# Allegro board RK3588S_Template_LP4XD200P232SD8H2_31X31_2133MHz_H1R6_V11_20220218YWQ.brd (continued)
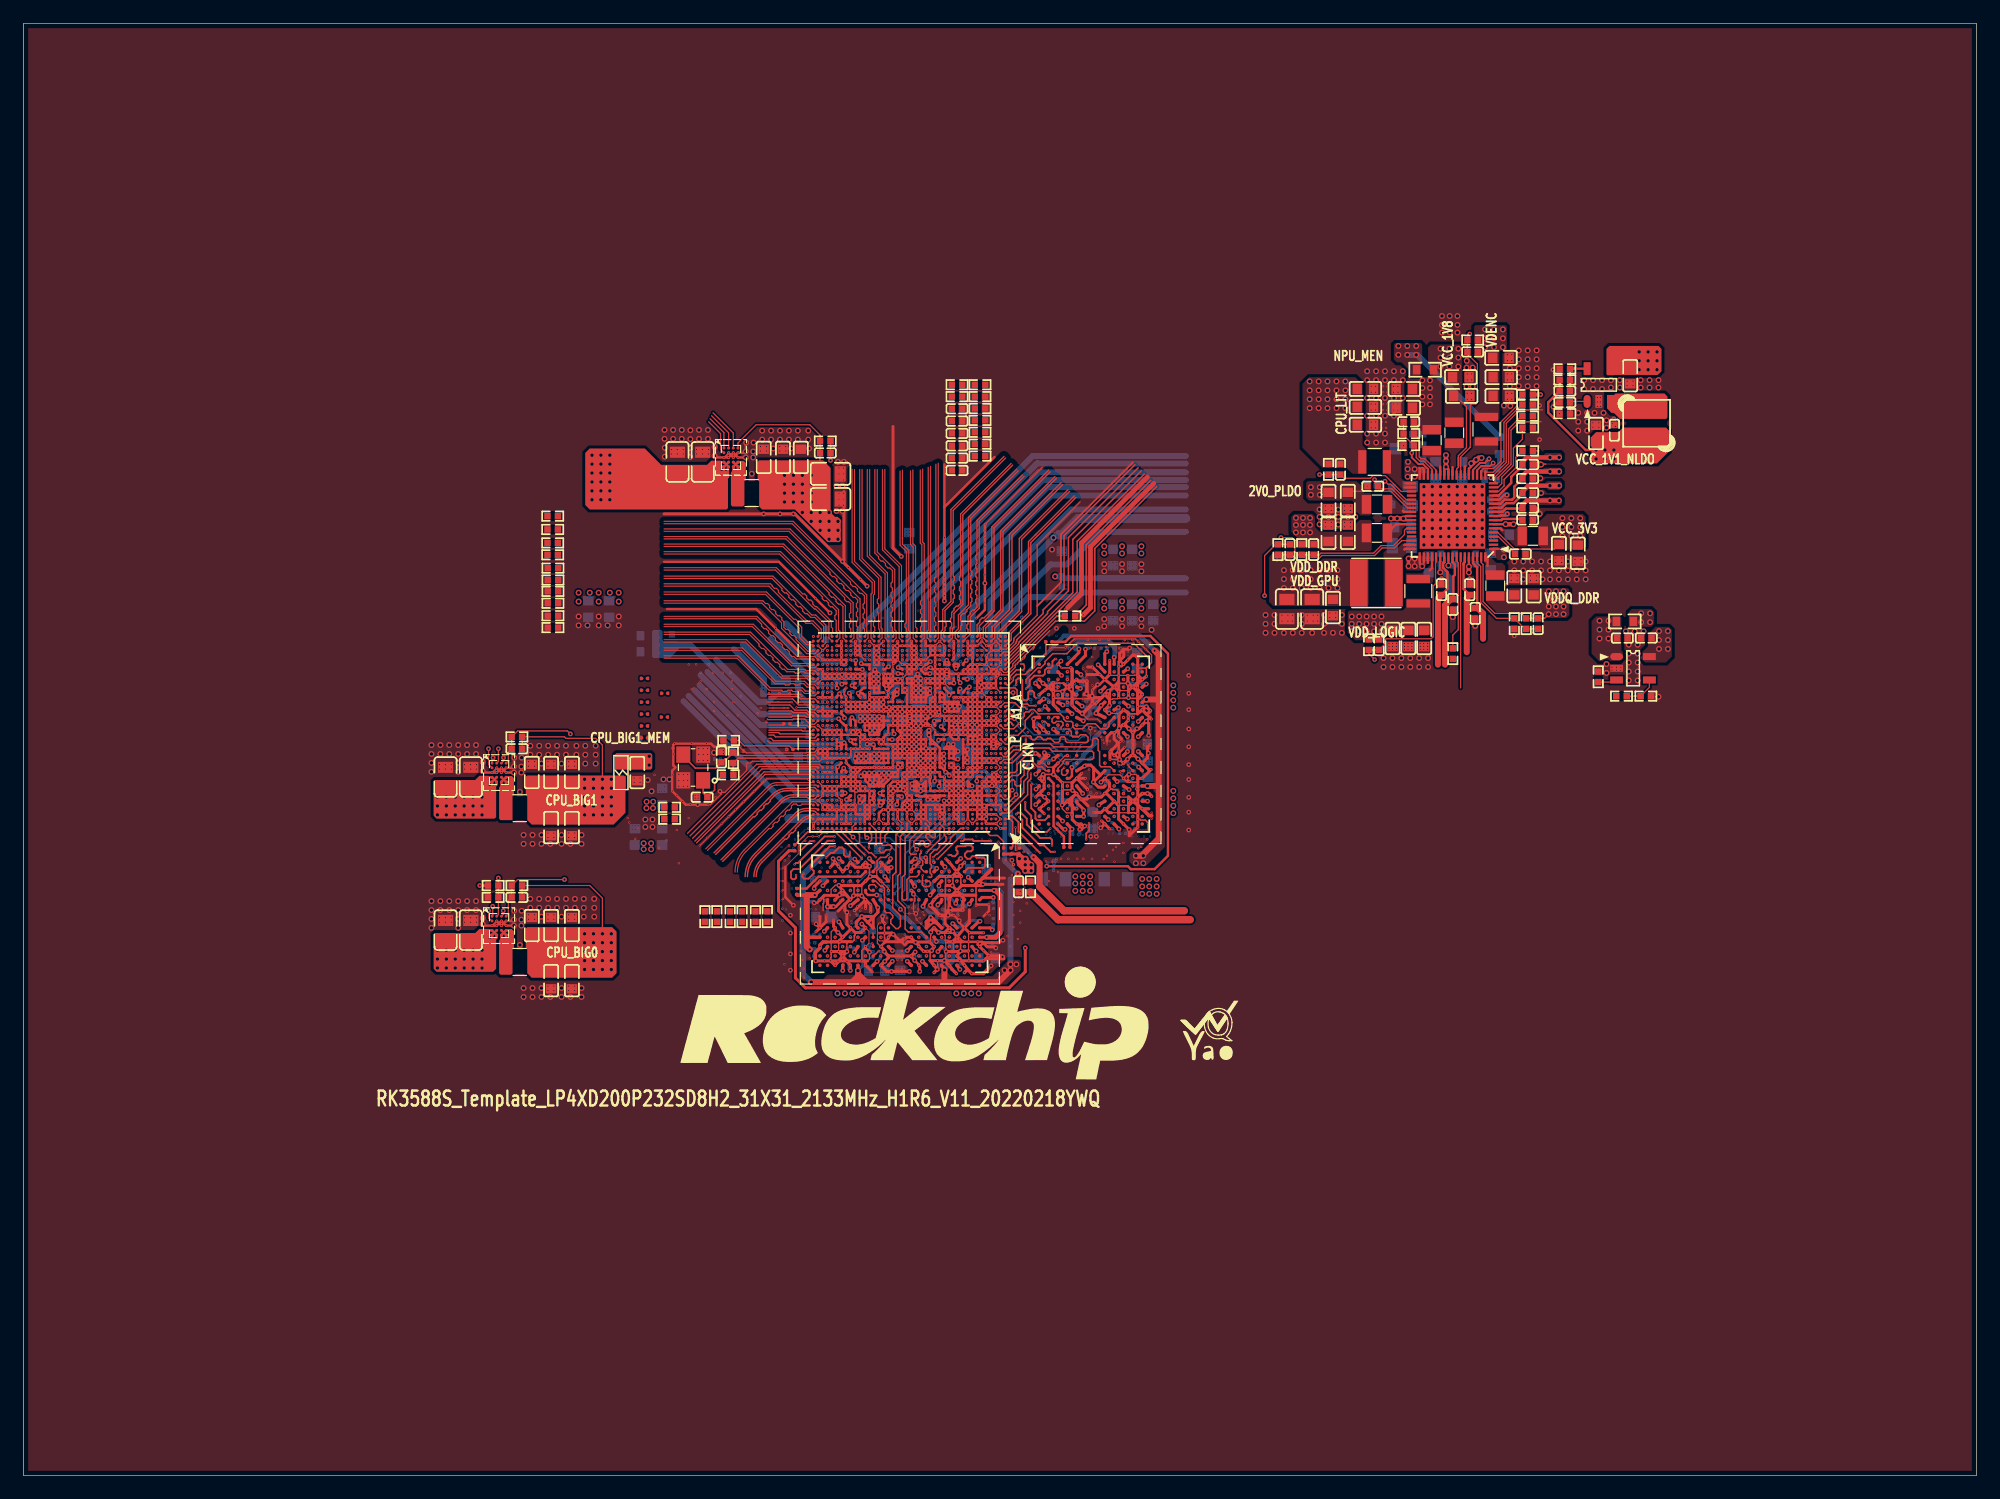
[diagram p0: board, top side]
## Routing (per net, layer and track width the routed paths; a pad name or vN(x,y) marks a point on that pad's centre or on a via; arc(x,y) is an arc through that point) (continued)
VCC1V8_PMU_DDR_S3: length 156.5
  TOP w0.203: v1(70.12,62.62) 69.78,62.62 v1(69.64,62.48) ; v1(70.12,62.62) 70.29,62.45 U1000.V35 ; v1(70.12,62.62) 69.89,62.38 69.89,62.23 ; U1000.N37 69.49,60.48 v1(69.57,60.55) 69.89,60.87 U1000.R36 ; v1(72.9,49.61) 72.16,49.61 71.95,49.81 U3801.T4 ; U1000.Y37 69.49,62.63 v1(69.64,62.48) ; 69.89,62.23 v1(69.64,62.48) ; 69.89,62.23 U1000.V36 ; v1(69.64,62.48) 69.49,62.33 U1000.V37 ; U3800.T4 89.38,59.57 89.58,59.78 v1(89.58,60.52)
  TOP w0.254: v1(71.03,52.67) U3801.U1 ; v1(86.52,58.65) U3800.U1
  TOP w0.279: v5(78.69,43.2) 78.69,43.21 78.69,43.24 U3801.F12 ; U3801.G4 v1(77.47,49.6) ; v1(93.55,65.62) 93.52,65.63 U3800.G9 ; U3801.T9 71.94,46 v1(71.68,45.74) ; v1(78,45.64) 78.01,45.67 U3801.G9 ; U3800.U12 v5(96.04,58.92) ; U3800.G4 v1(89.59,65.09) ; v1(93.45,59.3) 93.19,59.56 U3800.T9 ; v1(78.74,52.02) 78.45,52.3 U3801.F1 ; U3800.F12 v5(95.94,66.31) ; U3801.U12 v5(71.3,43.15)
  TOP w0.305: U3800.F1 v1(87.18,66.36)
  TOP w0.508: 72,42.16 70.8,42.16 ; 72,42.16 78.74,42.16 ; 72,42.16 71.3,42.86 ; 70.8,42.16 71.3,42.67 71.3,42.86 ; 70.8,42.16 v5(67.31,42.16) ; v5(95.94,66.31) 96.99,66.31 97,66.29 ; v5(71.3,43.15) 71.3,42.86 ; 78.74,42.16 83.31,42.16 v5(84.33,43.18) ; 78.74,42.16 78.69,42.21 v5(78.69,43.2) ; v5(95.05,52.96) 95.53,52.96 97,54.43 97,58.93 ; 97,58.93 97,66.29 ; 97,58.93 97,58.92 v5(96.04,58.92) ; 97,66.29 97,70.13 v1(96.65,70.48)
  L6-S2 w0.305: v1(70.12,62.62) 70.12,62.69 69.82,62.99 v4(69.77,62.99) 69.64,62.86 v1(69.64,62.48) 69.78,62.62 v1(70.12,62.62)
  BOTTOM w0.203: 69.57,60.7 69.57,60.73
  BOTTOM w0.254: 70.14,53.34 70.64,52.83 C3887.1 71,52.7 v1(71.03,52.67) ; 73.21,49.19 C3888.1 73.13,49.61 v1(72.9,49.61) ; 77.64,49.77 77.64,50.61 78.74,51.71 v1(78.74,52.02) ; v1(93.45,59.3) 93.51,59.35 94.62,59.35 95.05,58.92 v5(96.04,58.92) ; v5(71.3,43.15) 71.73,43.58 71.73,45.68 v1(71.68,45.74) ; v1(87.18,66.36) 87.48,66.36 88.58,65.26 89.42,65.26
  BOTTOM w0.279: C1101.1 69.57,60.7 v1(69.57,60.55) 69.47,60.45 69.3,60.45
  BOTTOM w0.305: 88.91,71.75 85.85,68.7 85.85,67.5 86.06,67.3 C3848.1 ; v1(89.59,65.09) 89.42,65.26 ; 77.64,49.77 v1(77.47,49.6) ; v1(69.64,62.48) 69.64,62.89 C1107.1 70.12,62.62 v1(70.12,62.62) 69.99,62.48 v1(69.64,62.48)
  BOTTOM w0.381: 73.21,49.19 73.75,48.65 73.93,48.65 74.89,47.68 75.4,47.68 77.44,45.64 v1(78,45.64) 79.02,45.64 79.4,45.26 79.4,43.96 78.69,43.25 v5(78.69,43.2) ; v1(93.55,65.62) 93.55,65.07 91.51,63.02 91.51,62.51 90.54,61.55 90.54,61.37 89.69,60.52 v1(89.58,60.52)
  BOTTOM w0.406: v1(96.65,70.48) 95.38,71.75 88.91,71.75 ; C1106.1 v1(69.64,62.48)
  BOTTOM w0.457: C1106.1 63.76,62.48
  BOTTOM w0.508: v5(84.33,43.18) v5(84.33,43.69) 84.33,50.94 ; 63.76,62.48 65.79,60.45 69.3,60.45 69.57,60.73 ; 63.76,62.48 63.76,62.48 ; 63.76,62.48 57.85,68.39 ; v5(118.24,95.76) v5(119,95.76) 119.09,95.76 R2210.1 ; v5(67.31,42.16) 66.6,42.87 66.6,51.36 68.58,53.34 70.14,53.34
  vias: v5(83.82,43.18) v5(84.84,43.69) v5(95.05,52.32) v5(95.68,52.96) v5(95.68,52.32) v5(117.47,96.52) v5(117.47,95.76) v5(118.24,96.52) v5(119,96.52)
VCC_1V1_NLDO_S3: length 13.5
  TOP w0.203: v1(126.78,82.17) 126.75,82.17 126.62,82.05 126.24,82.05 126.18,81.99 U2200.9 ; R2306.1 C2326.1 130.28,91.7 130.28,90.83 133.48,87.63 v5(134.37,87.63) ; U2200.13 126.12,83.39 126.52,83.79 v1(126.75,83.79)
  BOTTOM w0.508: v1(126.75,83.79) 126.63,83.79 C2257.1 C2264.1 126.43,82.17 v1(126.78,82.17)
  vias: v5(134.37,86.87) v5(135.13,87.63) v5(135.13,86.87) v5(135.89,87.63) v5(135.89,86.87)
VCC_1V8_S0: length 42.8
  TOP w0.203: C2246.1 122.17,74.94 122.17,76.83 122.3,76.96 122.3,77.85 122.11,78.04 122.11,78.04 122.1,78.05 U2200.60 ; v1(70.56,66.85) 70.69,66.72 U1000.AJ34 ; v1(80.01,67.23) 79.89,67.12 U1000.AK11 ; 73.29,57.25 v1(73.2,57.25) 73.09,57.36 U1000.G28 U1000.G27 73.49,57.45 73.29,57.25 ; v1(71.42,58.01) 71.42,57.56 v1(71.48,57.51) 71.63,57.51 71.82,57.7 U1000.G31 U1000.H31 71.51,58.1 v1(71.42,58.01)
  TOP w0.508: C2246.1 121.97,74.89 121.46,74.38 121.46,69.29
  L6-S2 w0.203: v1(70.56,66.85) 70.36,67.06 70.36,67.82 70.15,68.02 69.39,68.02
  L6-S2 w0.254: v4(79.38,71.12) v4(79.38,70.87) 79.38,69.43 79.25,69.31 79.25,68.72 79.38,68.6 79.38,68.2 79.07,67.9 79.07,67.54 79.38,67.23 v1(80.01,67.23)
  L6-S2 w0.508: 69.39,68.02 69.29,68.12 64.94,68.12 v4(64.89,68.07)
  BOTTOM w0.203: 71.9,57.28 C1508.1
  BOTTOM w0.254: v1(71.42,58.01) 71.86,58.01 C1508.1
  BOTTOM w0.279: v1(70.56,66.85) 70.66,66.95 C1906.1
  BOTTOM w0.305: v1(80.01,67.23) 80.13,67.11 C1302.1 ; v1(73.2,57.25) 72.98,57.25 C1902.1 ; v1(71.42,58.01) 71.42,57.56 v1(71.48,57.51) ; v1(71.48,57.51) 71.36,57.39 C1903.1 71.36,56.44 71.05,56.13 ; v1(71.48,57.51) 71.67,57.51 71.9,57.28
  BOTTOM w0.508: R1401.2 78.92,71.57 v4(79.38,71.12) v4(79.38,70.87) ; R1909.2 R1927.2 64.14,68.32 61.47,70.99
  BOTTOM w0.762: 65.4,56.13 71.05,56.13
  vias: v4(64.64,68.07) v4(64.64,67.82) v4(64.89,67.82)
VCC_1V8_S3: length 23.6
  TOP w0.102: U2200.25 122.45,86 122.6,86.15 122.6,87.14 123.29,87.83 123.29,91.34 122.81,91.82
  TOP w0.305: R2261.1 v1(129.63,92.36)
  L6-S2 w0.305: v5(122.6,94.76) 122.6,94.66 123.15,94.11 124.59,94.11 126.33,92.36 v1(129.63,92.36)
  BOTTOM w0.508: R1908.2 R1928.2 64.14,66.63 63.63,66.12 62.79,66.12 59.18,69.72
  vias: v5(121.07,96.28) v5(121.07,95.52) v5(121.07,94.76) v5(121.84,96.28) v5(121.84,95.52) v5(121.84,94.76) v5(122.6,96.28) v5(122.6,95.52)
VCC_1V8_S3_PLDO6: length 4.1
  TOP w0.152: v1(125.57,86.52) 125.32,86.27 124.57,86.27 124.2,85.9 U2200.20
  BOTTOM w0.381: R2210.2 126.11,86.19 C2248.1 125.57,86.32 v1(125.57,86.52)
VCC_2V0_PLDO_S3: length 7.6
  TOP w0.102: 112.9,84.14 112.94,84.1 116.84,84.1 117.22,83.72 117.22,83.7 118.24,82.69 U2200.41
  TOP w0.152: U2200.59 v5(121.75,77.77)
  BOTTOM w0.508: v5(121.75,77.77) 122.2,77.77 C2247.1
  vias: v5(110,84.45) v5(110,83.8) v5(110.76,84.45) v5(110.76,83.8)
VCC_3V3_S0: length 17.6
  TOP w0.203: U1000.AL33 71,67.3 v1(70.8,67.51) 70.99,67.7 U1000.AM33
  L5-POWER2 w0.203: 69.65,68.02 70.28,68.02
  L5-POWER2 w0.254: 68.85,68.82 69.65,68.02 ; 70.28,68.02 v1(70.8,67.51)
  L5-POWER2 w0.508: v3(62.48,80.14) 62.48,75.18 68.85,68.82
  BOTTOM w0.279: C1907.1 70.87,67.58 v1(70.8,67.51)
  vias: v5(134.66,73.04) v5(134.66,72.28) v5(134.66,71.52) v5(135.42,73.04) v5(135.42,72.28) v5(135.42,71.52)
VCC_3V3_S3: length 7
  TOP w0.102: C2239.1 130.79,79.17 127.39,79.17 125.97,80.59 U2200.5
  TOP w0.203: R2302.1 v1(38.99,50.42)
  vias: v5(131.49,81.81) v5(131.49,81.04) v5(131.49,80.28) v5(132.25,81.81) v5(132.25,81.04) v5(132.25,80.28) v5(133.01,81.81) v5(133.01,81.04) v5(133.01,80.28) v5(139.74,72.15) v5(139.74,71.39) v5(139.74,70.63) v5(140.5,72.15) v5(140.5,71.39) v5(140.5,70.63)
VCC_5V0_PWREN_H: length 14.4
  L3-S1 w0.076: 74.14,72.8 74.29,72.64 74.29,70.5 v2(73.89,70.1)
  L3-S1 w0.102: 74.14,84.23 74.14,72.8
VCC_SYSIN: length 41.8
  TOP w0.102: U2200.34 119.02,85.49 v5(118.87,85.34) ; v5(118.87,77.7) v5(118.87,78.36) 118.39,78.36 118.39,78.36 v5(118.35,78.36)
  TOP w0.203: 40.04,58.67 40.44,59.07 U2301.E2 U2301.D1 39.03,59.67 38.63,59.27 ; U2200.53 119.65,78 ; v5(118.87,78.36) 119,78.49 U2200.52 119.3,77.9 ; 40.04,45.59 40.04,44.99 v5(39.18,44.13) ; 40.04,45.59 U2300.E1 ; 40.04,45.59 40.44,45.99 U2300.E2 U2300.D1 39.03,46.59 38.63,46.19 ; U2300.E1 38.63,46.19 ; U2300.E1 U2300.D2 ; U2302.E1 58.44,86.19 ; U2302.E1 59.85,86.2 U2302.D2 ; U2302.E1 59.85,85 ; 58.44,86.19 C2317.1 ; 58.44,86.19 58.84,86.59 59.85,86.59 ; v5(123.7,86.49) 123.7,86.23 123.5,86.04 U2200.22 ; U2200.28 121.4,86.04 v5(121.54,86.18) 121.75,85.97 U2200.27 ; 119.51,86.11 119.65,85.96 U2200.33 ; 59.85,85 60.2,85.34 60.2,86.14 U2302.E2 59.85,86.59 ; 59.85,85 58.99,84.14 ; U2301.E1 38.63,59.27 ; U2301.E1 U2301.D2 ; U2301.E1 40.04,58.07 v5(39.18,57.21) ; 38.63,59.27 C2302.1 ; v5(126.65,81.29) U2200.7 ; 59.85,86.59 U2302.D1 59.85,86.59 ; 38.63,46.19 C2301.1 ; 125.6,78.69 U2200.1 126.04,79.19 ; U2200.44 118.05,81.64 v5(117.91,81.78) 118.12,81.99 U2200.43 ; 119.25,86.11 119.3,86.06 U2200.34 ; U2200.54 120,77.99 ; U2200.64 v5(123.5,77.67)
  TOP w0.254: v5(118.35,77.7) v5(118.35,78.36)
  TOP w0.381: v5(116.84,81.78) v5(117.37,81.78) v5(117.91,81.78) ; v5(121.54,86.18) v5(121.54,86.68) v5(121.54,87.19) ; v5(127.31,81.29) v5(126.65,81.29)
  TOP w0.406: v5(124.59,86.95) 124.33,86.95 124.18,86.79 v5(124.11,86.79) 123.8,86.49 v5(123.7,86.49) ; v5(123.5,77.17) v5(123.5,77.67)
  BOTTOM w0.104: v5(118.87,85.34) v5(118.87,86)
  vias: v5(35.37,57.98) v5(35.37,57.21) v5(35.37,56.45) v5(35.37,44.89) v5(35.37,44.13) v5(35.37,43.37) v5(36.13,57.98) v5(36.13,57.21) v5(36.13,56.45) v5(36.13,44.89) v5(36.13,44.13) v5(36.13,43.37) v5(36.9,57.98) v5(36.9,57.21) v5(36.9,56.45) v5(36.9,44.89) v5(36.9,44.13) v5(36.9,43.37) v5(37.66,57.98) v5(37.66,57.21) v5(37.66,56.45) v5(37.66,44.89) v5(37.66,44.13) v5(37.66,43.37) v5(38.42,57.98) v5(38.42,57.21) v5(38.42,56.45) v5(38.42,44.89) v5(38.42,44.13) v5(38.42,43.37) v5(39.18,57.98) v5(39.18,56.45) v5(39.18,44.89) v5(39.18,43.37) v5(48.58,87.19) v5(48.58,86.43) v5(48.58,85.66) v5(48.58,84.9) v5(48.58,84.14) v5(48.58,83.38) v5(49.34,87.19) v5(49.34,86.43) v5(49.34,85.66) v5(49.34,84.9) v5(49.34,84.14) v5(49.34,83.38) v5(50.1,87.19) v5(50.1,86.43) v5(50.1,85.66) v5(50.1,84.9) v5(50.1,84.14) v5(50.1,83.38) v5(118.3,86.61) v5(118.27,86) v5(118.27,85.34) v5(119.51,77.7) v5(126.49,79.12) v5(126.49,78.47) v5(138.05,96.01) v5(138.05,95.25) v5(138.05,94.49) v5(138.81,96.01) v5(138.81,95.25) v5(138.81,94.49) v5(139.57,96.01) v5(139.57,95.25) v5(139.57,94.49)
VCCA: length 3.3
  TOP w0.152: v1(125.22,86.88) 124.87,86.52 124.44,86.52 123.85,85.93 U2200.21
  BOTTOM w0.381: v1(125.22,86.88) 125.22,86.86 125.08,86.72 125.08,86.22 C2254.1
VCCA_1V8_S0: length 293.5
  TOP w0.178: v1(79.08,66.69) 79.13,66.69 79.35,66.9 U1000.AK12
  TOP w0.203: C2249.1 121.67,75.75 121.67,77.21 121.3,77.58 121.3,77.95 121.39,78.04 121.39,78.04 121.4,78.05 U2200.58 ; 70.08,60.39 69.89,60.2 U1000.N36 ; 70.08,60.39 v1(70.08,60.44) ; 70.08,60.39 70.29,60.19 U1000.N35 ; U1000.AB25 74.29,63.53 74.4,63.42 v1(74.4,63.37) ; U1000.AM35 70.04,67.7 69.95,67.61 v1(69.93,67.61) ; U1000.AP23 74.95,68.5 74.92,68.53 v1(74.73,68.53) ; v1(71.58,69.39) 71.67,69.3 U1000.AT30 U1000.AR30 ; v1(74.74,69.05) 74.83,68.96 75.01,68.96 75.07,68.9 U1000.AR23 ; v1(79.08,66.69) 79.08,66.84 78.69,67.23 U1000.AL14
  TOP w0.229: U1000.H34 70.67,58.1 v1(70.33,57.76) 70.39,57.7 U1000.G34
  TOP w0.508: C2249.1 120.85,74.94 120.85,69.29
  TOP w0.635: 99.69,47.5 88.4,47.5 R2274.1
  L5-POWER2 w0.152: 78.66,67.79 78.77,67.79 79.32,68.35 79.32,68.64 79.2,68.76 79.2,69.16 79.38,69.34 79.38,70.71
  L5-POWER2 w0.254: 78.66,67.79 78.46,67.99 78.46,69.85 79.33,70.71 79.38,70.71
  L5-POWER2 w0.457: v1(79.08,66.69) 78.67,67.11 78.67,67.74 78.66,67.74 78.66,67.79 ; v5(88.15,76.83) 81.98,76.83 81.44,76.29 81.44,75.58 80.21,74.36 80.21,71.45 79.48,70.71 79.38,70.71
  L6-S2 w0.191: 72.06,63.25 71.04,64.27
  L6-S2 w0.203: 69.06,64.54 69.34,64.27 71.04,64.27 ; v1(74.4,63.37) 74.37,63.35 73.89,63.35 73.79,63.25 72.42,63.25 72.06,63.25
  L6-S2 w0.254: 75.17,69.71 75.17,68.87 74.82,68.53 v1(74.73,68.53)
  L6-S2 w0.305: 75.17,69.71 75.19,69.73 75.19,71.82 74.37,72.64
  L6-S2 w0.508: 74.37,72.64 72.39,72.64 63.8,81.23 63.8,85.77 64.52,86.49 67.56,86.49 68.71,87.63 108.15,87.63 ; 69.06,64.54 v4(67.03,64.54) v4(66.78,64.54)
  BOTTOM w0.254: v1(70.08,60.44) 70.08,60.2 ; v1(74.74,69.05) 74.74,69.14 75.07,69.47 75.35,69.47 75.61,69.72 C1403.1 C1404.1 75.61,70.87 ; v1(74.4,63.37) 74.37,63.37 C1104.1 ; 68.93,68.2 69.09,68.2
  BOTTOM w0.279: 69.09,68.2 69.41,67.88 69.61,67.88 C1601.1 69.7,67.84 v1(69.93,67.61) 70.15,67.84 C1600.1 ; C1802.1 70.64,58.07 v1(70.33,57.76) ; 69.72,59.79 C1100.1 70.08,59.84 70.08,60.2 ; v1(74.73,68.53) 74.6,68.53 74.4,68.73 C1506.1 ; 71.43,71.43 C1610.1 C1609.1 71.58,70.12 v1(71.58,69.39)
  BOTTOM w0.305: 64.9,57.66 68.33,57.66 68.83,57.15 70.08,57.15 C1803.1 70.34,57.75 v1(70.33,57.76)
  BOTTOM w0.508: 99.31,84.45 87.5,84.45 77.6,74.55 R1402.2 ; C1114.1 62.97,64.13 58.43,68.67 ; 69.72,59.79 65.52,59.79 57.76,67.54 ; 99.31,76.67 88.89,76.67 C1716.1 v5(88.15,76.83) ; 68.93,68.2 68.32,68.2 64.43,72.09 ; 71.43,71.43 71.43,72.31 86.23,87.12 99.31,87.12 ; 75.61,70.87 75.61,74.59 86.74,85.72 99.31,85.72 ; 56.39,66.17 64.9,57.66
  vias: v4(66.55,64.54)
VCCA_3V3_S0: length 35.5
  TOP w0.203: U2200.63 123.15,78.05 123.05,77.95 123.05,77.86 123.05,77.85 123.05,75.76 C2251.1 ; U1000.AT10 80.29,69.37 v1(80.57,69.65)
  TOP w0.508: 123.32,70.36 123.32,74.99 C2251.1
  BOTTOM w0.254: v1(80.57,69.65) 80.79,69.87 C1405.1
  BOTTOM w0.406: 81.1,70.23 81.1,69.9 C1405.1
  BOTTOM w0.508: 99.31,82.55 89.53,82.55 81.1,74.12 81.1,70.23
  vias: v5(138.22,73.68) v5(138.22,72.92) v5(138.98,73.68) v5(138.98,72.92)
VCCIO5: length 15.6
  TOP w0.203: U1000.AC33 71.09,64.47 v1(70.79,64.77) 70.69,64.67 U1000.AC34
  L6-S2 w0.254: 68.79,65.16 70.38,65.16 70.76,64.77 v1(70.79,64.77)
  L6-S2 w0.508: 68.79,65.16 65.27,65.16 v4(63.24,67.18)
  BOTTOM w0.279: v1(70.79,64.77) 70.56,64.54 C1905.1
  BOTTOM w0.508: R1928.1 v4(63.24,67.18) v4(63.24,67.44) R1927.1 63.24,68.08 60.71,70.61
  vias: v4(62.99,67.44) v4(62.99,67.18)
VCCIO5_1V8: length 6.6
  TOP w0.203: v1(70.15,64.73) 70.15,64.85 69.89,65.11 U1000.AF36
  BOTTOM w0.203: C1904.1 69.73,65.15 69.81,65.07 69.85,65.07 70.15,64.77 v1(70.15,64.73)
  BOTTOM w0.254: 68.58,65.53 68.96,65.53 69.34,65.15 C1904.1
  BOTTOM w0.508: 68.58,65.53 67.85,65.53 67.72,65.66 67.32,65.66 R1908.1 R1909.1
VCCIO_FLASH: length 18.2
  TOP w0.203: U1000.AB35 U1000.AC35 70.17,64.1 69.65,64.62 v1(69.65,64.67)
  BOTTOM w0.254: C1300.1 68.85,64.67 v1(69.65,64.67)
  BOTTOM w0.508: C1300.1 67.74,64.79 67.48,65.05 62.91,65.05 56.99,70.97 C4003.1
VCCIO_SD_S0: length 33.9
  TOP w0.178: U1000.AK10 80.39,67 80.39,67.08 80.57,67.26 80.7,67.26 v1(80.82,67.39)
  TOP w0.203: C2253.1 124.21,74.29 124.21,77.6 124.08,77.72 124.08,77.73 123.85,77.96 U2200.65
  TOP w0.508: C2253.1 124.25,74.13 124.71,73.66 124.71,71.5
  BOTTOM w0.254: C1301.1 80.74,67.27 80.82,67.36 v1(80.82,67.39)
  BOTTOM w0.305: C1301.1 81.04,66.79 81.15,66.67
  BOTTOM w0.406: 83.74,69.18 82.42,67.86 82.42,67.2 81.9,66.67 81.15,66.67
  BOTTOM w0.457: 83.79,69.86 83.77,69.84 83.77,69.61 83.74,69.58 83.74,69.18
  BOTTOM w0.508: 99.31,75.45 90.43,75.45 90.04,75.06 85.85,75.06 83.79,73 83.79,69.86
VDD2_DDR_S3: length 100.5
  TOP w0.102: U2200.30 120.7,85.92 119.74,86.88 119.41,86.88 119.25,87.03 119.25,88.59 R2218.1
  TOP w0.203: R3801.2 89.4,53.97 89.41,53.98 89.41,55.05 v1(89.59,55.24)
  TOP w0.254: 72.15,47.26 v1(71.63,47.77) ; 72.15,47.26 U3801.R8 72.6,47.71 ; 72.15,47.26 72.6,47.71 ; v1(71.63,47.77) 71.16,47.3 71.16,46.95 U3801.U8 ; v1(71.63,47.77) 72.67,47.77 ; U3800.U8 92.29,58.82 91.85,58.82 v1(91.42,59.25) 91.44,59.27 ; U3801.A9 v1(82.3,46) ; U3800.N1 86.61,61.71 v1(86.48,61.71) ; 91.44,60.45 91.19,60.71 90.74,60.71 v1(90.66,60.62) ; 91.44,60.45 91.44,59.27 ; 91.44,60.45 92.03,59.86 ; 91.44,59.27 92.03,59.86 ; v1(90.18,70.63) 90.18,70.31 U3800.A4 ; v1(86.51,63.77) 86.31,63.97 v1(86.31,64.66) ; v1(86.5,59.93) 86.5,59.93 U3800.R1 ; v1(73,48.53) 73,48.11 72.67,47.77 ; v1(72.28,52.72) 72.28,52.69 72.57,52.4 U3801.R1 ; U3800.A9 v1(93.19,69.92) ; 72.6,47.71 72.67,47.77 ; 92.03,59.86 U3800.R8 ; U3801.A4 v1(82.93,50) ; U3801.N1 74.09,52.58 v1(74.09,52.71) ; U3800.F5 v1(90.45,65.75)
  TOP w0.279: v1(93.6,55.24) 93.59,55.25 U3800.AB9 ; U3801.N10 v1(74.24,44.86) ; v1(76.15,50.34) 76.13,50.35 U3801.K3 ; v1(77.09,52.8) 77.15,52.73 U3801.H1 ; v1(86.31,64.66) 86.43,64.77 U3800.H1 ; U3800.N3 v1(88.02,61.23) ; U3801.K12 v1(75.51,43.94) ; U3801.R12 v1(72.94,43.94) ; U3800.R12 v1(95.28,60.54) ; v1(90.51,58.28) U3800.U5 ; U3801.H12 v1(76.81,43.94) ; v1(70.66,48.69) U3801.U5 ; U3800.F8 v1(92.08,65.8) ; U3800.AB4 v1(89.59,55.24) ; U3800.N12 v1(95.25,61.86) ; U3800.H12 v1(95.25,64.44) ; U3800.K3 88.32,63.47 v1(88.01,63.78) ; U3800.K1 86.51,63.75 v1(86.51,63.77) ; U3800.K10 v1(94.33,63.14) ; U3801.K1 75.85,52.4 76.15,52.7 v1(76.2,52.7) ; U3800.K12 v1(95.25,63.14) ; U3801.N12 v1(74.24,43.94) ; v1(78.13,48.77) 78.16,48.86 78.38,48.97 U3801.F5 ; U3800.R5 v1(90.66,60.62) ; U3800.N10 v1(94.33,61.86) ; U3801.K10 v1(75.51,44.86) ; U3801.AB4 v1(67.61,49.6) ; v1(76.86,48.63) U3801.H5 ; U3801.R5 v1(73,48.53) ; U3801.N3 v1(73.61,51.17) ; v1(90.56,64.48) U3800.H5
  TOP w0.305: 66.93,49.6 66.13,49.6 R3803.2 ; 77.99,47.26 v1(77.52,47.26) 77.52,47.17 U3801.H8 77.15,47.3 v1(77.52,47.67) 77.58,47.67 77.99,47.26 ; 77.99,47.26 U3801.F8 ; v1(92.08,65.8) v1(91.65,65.14) U3800.H8 ; 66.93,46.1 67.03,46 U3801.AB9
  TOP w0.406: v1(77.52,47.67) v1(77.52,47.26) ; v1(82.3,46) 83.08,46 83.44,46.36 83.44,49.59 83.03,50 v1(82.93,50)
  TOP w0.508: v1(67.61,49.6) 66.93,49.6 66.93,45.21 v1(67.18,44.96)
  L6-S2 w0.102: 72.26,45.72 72.26,45.25 72.94,44.57 v1(72.94,43.94)
  L6-S2 w0.305: v1(90.18,70.63) 90.18,70.87 91.24,71.94 92.53,71.94 93.09,71.37 93.09,70.02
  L6-S2 w0.406: 93.09,70.02 v1(93.19,69.92)
  BOTTOM w0.102: C3868.1 72.55,51.54 72.2,51.54 71.28,50.62 71.28,49.31 70.66,48.69 v1(70.66,48.69)
  BOTTOM w0.254: 91.12,65.04 91.17,65.09 91.57,65.09 91.62,65.14 ; 91.12,65.04 v1(90.56,64.48) ; 91.12,65.04 91.12,65.63 ; 77.42,48.08 77.47,48.03 77.47,47.72 v1(77.52,47.67) 77.62,47.57 78.01,47.57 ; 77.42,48.08 78.01,48.08 ; 77.42,48.08 v1(76.86,48.63) ; 78.01,47.57 78.01,47.28 78.18,47.11 ; 78.01,47.57 78.01,48.08 ; v1(90.45,65.75) 90.47,65.73 90.58,65.73 90.68,65.63 91.12,65.63 ; 73.03,48.18 73.03,48.5 v1(73,48.53) ; 78.01,48.08 78.01,48.51 78.1,48.61 78.1,48.74 v1(78.13,48.77) ; v1(93.6,55.24) 93.66,55.18 C3834.1 ; 91.62,65.14 v1(91.65,65.14) 91.62,65.14 ; 91.62,65.14 91.62,65.63 ; v1(88.02,61.23) 87.89,61.11 87.17,61.11 86.57,61.71 v1(86.48,61.71) ; v1(95.28,60.54) 95.02,60.8 C3839.1 ; 91.62,65.63 91.91,65.63 v1(92.08,65.8) ; 91.62,65.63 91.12,65.63 ; 91.01,60.65 90.69,60.65 v1(90.66,60.62) ; C3837.1 89.65,55.18 v1(89.59,55.24) ; v1(74.09,52.71) 74.09,52.63 73.49,52.02 73.49,51.3 v1(73.61,51.17) ; v1(76.2,52.7) 76.37,52.7 C3880.1 76.79,52.8 v1(77.09,52.8) ; 86.62,64.28 86.49,64.15 86.49,63.79 v1(86.51,63.77) ; v1(72.94,43.94) 73.21,44.2 C3877.1
  BOTTOM w0.305: 88.45,63.8 88.06,63.8 88.04,63.78 v1(88.01,63.78) ; C3873.1 67.24,45.02 v1(67.18,44.96) ; C3875.1 67.56,49.55 v1(67.61,49.6) ; 76.18,50.74 76.18,50.37 v1(76.15,50.34)
  BOTTOM w0.406: v1(82.93,50) 83.35,50 C3872.1 83.57,49.78 83.57,46.61 82.96,46 C3871.1 v1(82.3,46) ; v1(93.19,69.92) 93.24,69.96 C3829.1 93.24,70.78 92.83,71.19 90.12,71.19 89.87,70.94 C3835.1 89.92,70.63 v1(90.18,70.63)
  vias: v5(95.59,50.98) v5(95.59,50.34) v5(95.59,49.71) v5(96.19,50.98) v5(96.19,50.34) v5(96.19,49.71) v5(96.82,50.98) v5(96.82,50.34) v5(96.82,49.71) v5(119.52,93.58) v5(119.52,92.93) v5(119.52,92.18) v5(119.52,91.53) v5(120.18,93.58) v5(120.18,92.93) v5(120.18,92.18) v5(120.18,91.53)
VDD_0V75_S3: length 25.1
  TOP w0.203: U1000.AJ37 69.49,66.57 v1(69.72,66.8) 69.72,66.75 69.89,66.58 U1000.AJ36 ; U2200.14 126.04,83.74 127.12,84.81 127.12,85.33 128.07,86.29 C2255.1
  TOP w0.381: C2255.1 128.07,86.61 128.45,87 v5(130.43,87) v5(131.21,87)
  L6-S2 w0.279: 69.03,66.84 69.68,66.84 v1(69.72,66.8)
  L6-S2 w0.305: 68.61,66.42 69.03,66.84
  L6-S2 w0.508: 57.57,74 65.15,66.42 68.61,66.42
  BOTTOM w0.254: 69.27,66.34 v1(69.72,66.8) 69.93,67.01
  BOTTOM w0.279: 69.93,67.01 C1105.1 ; C1125.1 69.27,66.34
VDD_CPU_BIG0_S0: length 90.1
  TOP w0.102: v5(49.47,46.29) 49.47,49.34 48.39,50.42 R2300.1 C2306.1 ; U2300.A4 41.43,47.98 41.43,49.12 C2306.2 R2300.2 42.22,50.93 v1(46.23,50.93)
  TOP w0.203: U1000.M29 U1000.M30 ; U1000.M29 72.74,59.7 ; U1000.M29 72.69,59.7 v1(72.69,60.05) ; U1000.M29 72.69,59.12 ; U1000.M30 72.29,60.01 v1(72.27,60.04) ; U1000.M30 71.93,59.7 ; U1000.M30 72.29,59.29 ; v1(72.27,60.04) 72.28,60.05 v1(72.69,60.05) ; v1(72.27,60.04) 71.93,59.7 ; v1(72.27,60.04) v1(71.86,60.04) ; v1(73.13,60.05) 73.09,60.01 73.06,60.01 ; v1(73.13,60.05) v1(73.53,60.05) ; v1(73.13,60.05) v1(72.69,60.05) ; v1(73.46,59.64) 73.15,59.64 U1000.M28 ; v1(73.46,59.64) v1(73.9,59.64) ; v1(73.46,59.64) 73.46,59.43 73.25,59.23 73.17,59.23 ; v1(73.46,59.64) 73.53,59.72 v1(73.53,60.05) ; U1000.M28 73.09,58.94 ; U1000.M28 72.74,59.7 ; U1000.M28 73.09,59.98 73.06,60.01 ; 72.69,59.12 U1000.K29 ; 72.69,59.12 v1(72.8,59.23) ; U1000.K29 U1000.K28 ; U1000.K29 U1000.K30 72.29,59.03 ; 71.89,59.7 71.62,59.7 v1(71.55,59.77) 71.82,60.04 v1(71.86,60.04) ; 71.89,59.7 71.89,60.01 v1(71.86,60.04) ; 71.89,59.7 71.93,59.7 ; v1(74.73,60.53) 74.69,60.56 U1000.R24 U1000.R23 U1000.P23 ; v1(74.73,60.53) 74.73,60.13 v2(74.7,60.1) 73.89,60.1 ; v1(74.73,60.53) 74.75,60.5 U1000.P23 ; U1000.K28 73.09,58.94 ; U1000.K28 U1000.K27 ; 71.93,59.7 71.93,59.39 72.23,59.09 72.35,59.09 ; 73.09,58.94 v1(72.8,59.23) ; 72.35,59.09 72.29,59.03 ; 72.35,59.09 72.49,59.23 v1(72.8,59.23) ; v1(73.9,59.64) 73.9,59.42 73.49,59.01 U1000.K27 ; v1(73.9,59.64) 74.04,59.64 74.1,59.7 U1000.M25 ; v1(73.9,59.64) 73.9,60.01 v1(73.95,60.06) 73.93,60.06 ; v1(73.53,60.05) 73.54,60.06 73.93,60.06 ; v1(72.8,59.23) 73.17,59.23 ; 73.17,59.23 U1000.K27 ; 73.93,60.06 73.89,60.1 ; 73.89,60.1 U1000.N25 ; 72.29,59.29 72.29,59.03 ; 72.29,59.29 v1(72.35,59.23) ; U1000.N25 U1000.N24 U1000.M24 U1000.M25 ; U1000.N25 U1000.M25 ; 72.74,59.7 73.06,60.01 ; U1000.P23 75.09,60.5 v2(75.06,60.5)
  L2-GND1 w0.254: v2(75.06,60.5) 74.75,60.5 v1(74.73,60.53) 74.73,60.13 v2(74.7,60.1)
  L2-GND1 w0.305: v1(73.53,60.05) 73.94,60.05 v1(73.95,60.06) 73.95,59.69 v1(73.9,59.64) v1(73.46,59.64) 73.46,59.97 v1(73.53,60.05) ; v1(73.53,60.05) v1(73.13,60.05) v1(72.69,60.05) 72.69,60.04 v1(72.27,60.04) v1(71.86,60.04) 71.82,60.04 v1(71.55,59.77)
  L3-S1 w0.203: 75.06,60.17 v3(75.03,60.15) 74.98,60.1 v2(74.7,60.1) 74.7,60.5 v1(74.73,60.53) 75.03,60.53 v2(75.06,60.5) 75.06,60.17
  L3-S1 w0.305: v1(73.53,60.05) 73.53,59.72 v1(73.46,59.64) v1(73.9,59.64) ; v1(73.53,60.05) 73.54,60.06 v1(73.95,60.06) ; v1(73.53,60.05) v1(73.13,60.05) v1(72.69,60.05) 72.28,60.05 v1(72.27,60.04) v1(71.86,60.04) 71.59,59.77 v1(71.55,59.77) ; v1(72.35,59.23) v1(72.8,59.23)
  L4-POWER1 w0.102: v1(73.53,60.05) 73.56,60.07 73.91,60.07 73.93,60.06 v1(73.95,60.06) ; v1(46.23,50.93) 46.23,51.41 49.3,54.48 54.15,54.48 56.65,56.98 60.94,56.98 64.19,60.22 69.06,60.22 69.47,59.82
  L5-POWER2 w0.203: v1(73.95,60.06) 74.26,60.06 v1(74.73,60.53)
  L6-S2 w0.305: v1(73.53,60.05) 73.46,59.97 v1(73.46,59.64) v1(73.9,59.64) 73.95,59.69 v1(73.95,60.06) 73.93,60.04 v1(72.27,60.04) v1(71.86,60.04) 71.59,59.77 v1(71.55,59.77) ; v1(74.73,60.53) 75.03,60.22 v3(75.03,60.15)
  L7-GND2 w0.305: v1(71.55,59.77) 71.59,59.77 v1(71.86,60.04) v1(72.27,60.04) 73.93,60.04 v1(73.95,60.06) 73.95,59.69 v1(73.9,59.64) v1(73.46,59.64) 73.46,59.97 v1(73.53,60.05) ; v1(72.8,59.23) v1(72.35,59.23)
  BOTTOM w0.102: v1(72.69,60.05) 72.36,59.71 71.88,59.71
  BOTTOM w0.203: 74.59,59.99 74.73,60.14 v1(74.73,60.53)
  BOTTOM w0.305: 74.46,59.99 74.04,59.99 74,60.03 73.98,60.03 v1(73.95,60.06)
  vias: v5(47.94,46.29) v5(47.94,45.53) v5(47.94,44.77) v5(47.94,44.01) v5(47.94,43.24) v5(48.71,46.29) v5(48.71,45.53) v5(48.71,44.77) v5(48.71,44.01) v5(48.71,43.24) v5(49.47,45.53) v5(49.47,44.77) v5(49.47,44.01) v5(49.47,43.24) v5(50.23,46.29) v5(50.23,45.53) v5(50.23,44.77) v5(50.23,44.01) v5(50.23,43.24) v5(53,54.03) v5(53,53.52) v5(53.63,54.03) v5(53.63,53.52)
VDD_CPU_BIG1_MEM_S0: length 3.6
  TOP w0.203: U1000.V26 U1000.V27 U1000.V28 U1000.V29 72.69,62.39 v1(72.62,62.46) 72.58,62.5 v1(72.09,62.5)
  L2-GND1 w0.305: v1(72.09,62.5) 72.58,62.5 v1(72.62,62.46)
  L3-S1 w0.305: v1(72.09,62.5) 72.58,62.5 v1(72.62,62.46)
  L6-S2 w0.203: v4(59.56,61.21) v3(59.94,61.21)
  vias: v5(53.47,61.47) v5(53.47,60.71)
VDD_CPU_BIG1_S0: length 89.4
  TOP w0.102: C2310.1 42.61,63.12 46.23,63.12 46.35,62.99 48.89,62.99 49.47,62.42 v5(49.47,59.5) ; U2301.A4 41.43,61.06 41.43,61.82 C2310.2 R2301.2 42.22,63.63 46.48,63.63 v1(46.74,63.37)
  TOP w0.203: U1000.R31 71.98,60.99 v1(71.98,61.26) ; U1000.R31 U1000.R32 ; U1000.R31 U1000.R30 ; v1(71.58,61.26) 71.58,61.26 v1(71.98,61.26) ; v1(71.58,61.26) 71.2,61.26 ; v1(71.58,61.26) 71.58,61.27 v1(71.58,61.67) ; v1(71.58,61.26) 71.58,60.99 U1000.R32 ; U1000.R32 U1000.R33 ; v1(71.99,61.66) 71.99,61.26 ; v1(71.99,61.66) 72.34,61.66 ; v1(71.99,61.66) 71.59,61.66 v1(71.58,61.67) ; 71.99,61.26 v1(71.98,61.26) ; 71.99,61.26 71.99,61.26 72.34,61.26 ; U1000.R28 U1000.R29 ; U1000.R28 73.1,60.91 v1(73.1,61.26) ; U1000.R28 U1000.R27 ; U1000.R29 U1000.R30 ; U1000.R29 72.69,60.9 v1(72.69,61.26) ; 72.34,61.26 72.34,61.66 ; 72.34,61.26 v1(72.69,61.26) ; 72.34,61.26 72.34,60.95 U1000.R30 ; U1000.R33 71.2,61 71.2,61.26 ; U1000.R33 71.09,61.15 71.07,61.18 71.07,61.23 ; U1000.R27 U1000.R26 U1000.T26 ; U1000.R27 73.49,61.29 73.48,61.3 ; 71.2,61.26 71.11,61.26 71.07,61.23 ; 71.2,61.26 71.2,61.67 ; v1(72.69,61.67) v1(73.13,61.67) ; v1(72.69,61.67) v1(72.69,61.26) ; v1(72.69,61.67) 72.69,61.66 72.34,61.66 ; v1(73.13,61.67) 73.13,61.29 ; v1(73.13,61.67) 73.13,61.67 73.16,61.7 73.48,61.7 ; v1(73.1,61.26) 73.13,61.29 ; v1(73.1,61.26) v1(72.69,61.26) ; 73.48,61.3 73.14,61.3 73.13,61.29 ; 73.48,61.3 U1000.T26 ; 73.48,61.3 73.48,61.7 ; v1(71.58,61.67) 71.2,61.67 ; U1000.T26 U1000.U26 73.48,61.7 ; 71.07,61.23 71.07,61.23 71.07,61.52 71.17,61.62 71.17,61.64 71.2,61.67
  L2-GND1 w0.305: v1(71.58,61.26) v1(71.07,61.26) 71.17,61.37 v1(71.17,61.67) v1(71.58,61.67) ; v1(71.58,61.26) 71.58,61.27 v1(71.58,61.67) ; v1(71.58,61.26) 71.98,61.26 v1(71.98,61.26) 71.99,61.26 v1(71.99,61.66) 71.59,61.66 v1(71.58,61.67) ; v1(72.69,61.67) v1(72.69,61.26) v1(73.1,61.26) 73.13,61.29 v1(73.13,61.67) v1(72.69,61.67)
  L3-S1 w0.305: v1(71.58,61.26) v1(71.07,61.26) 71.07,61.57 v1(71.17,61.67) v1(71.58,61.67) ; v1(71.58,61.26) 71.58,61.66 v1(71.58,61.67) ; v1(71.58,61.26) 71.98,61.26 v1(71.98,61.26) 71.99,61.26 v1(71.99,61.66) 71.59,61.66 v1(71.58,61.67) ; v1(72.69,61.26) v1(73.1,61.26) 73.13,61.29 v1(73.13,61.67) v1(72.69,61.67) v1(72.69,61.26)